# Altium PCB Time4CM4_PCIeCarrier_PCB.PcbDoc (part 1 of 5) (continued)
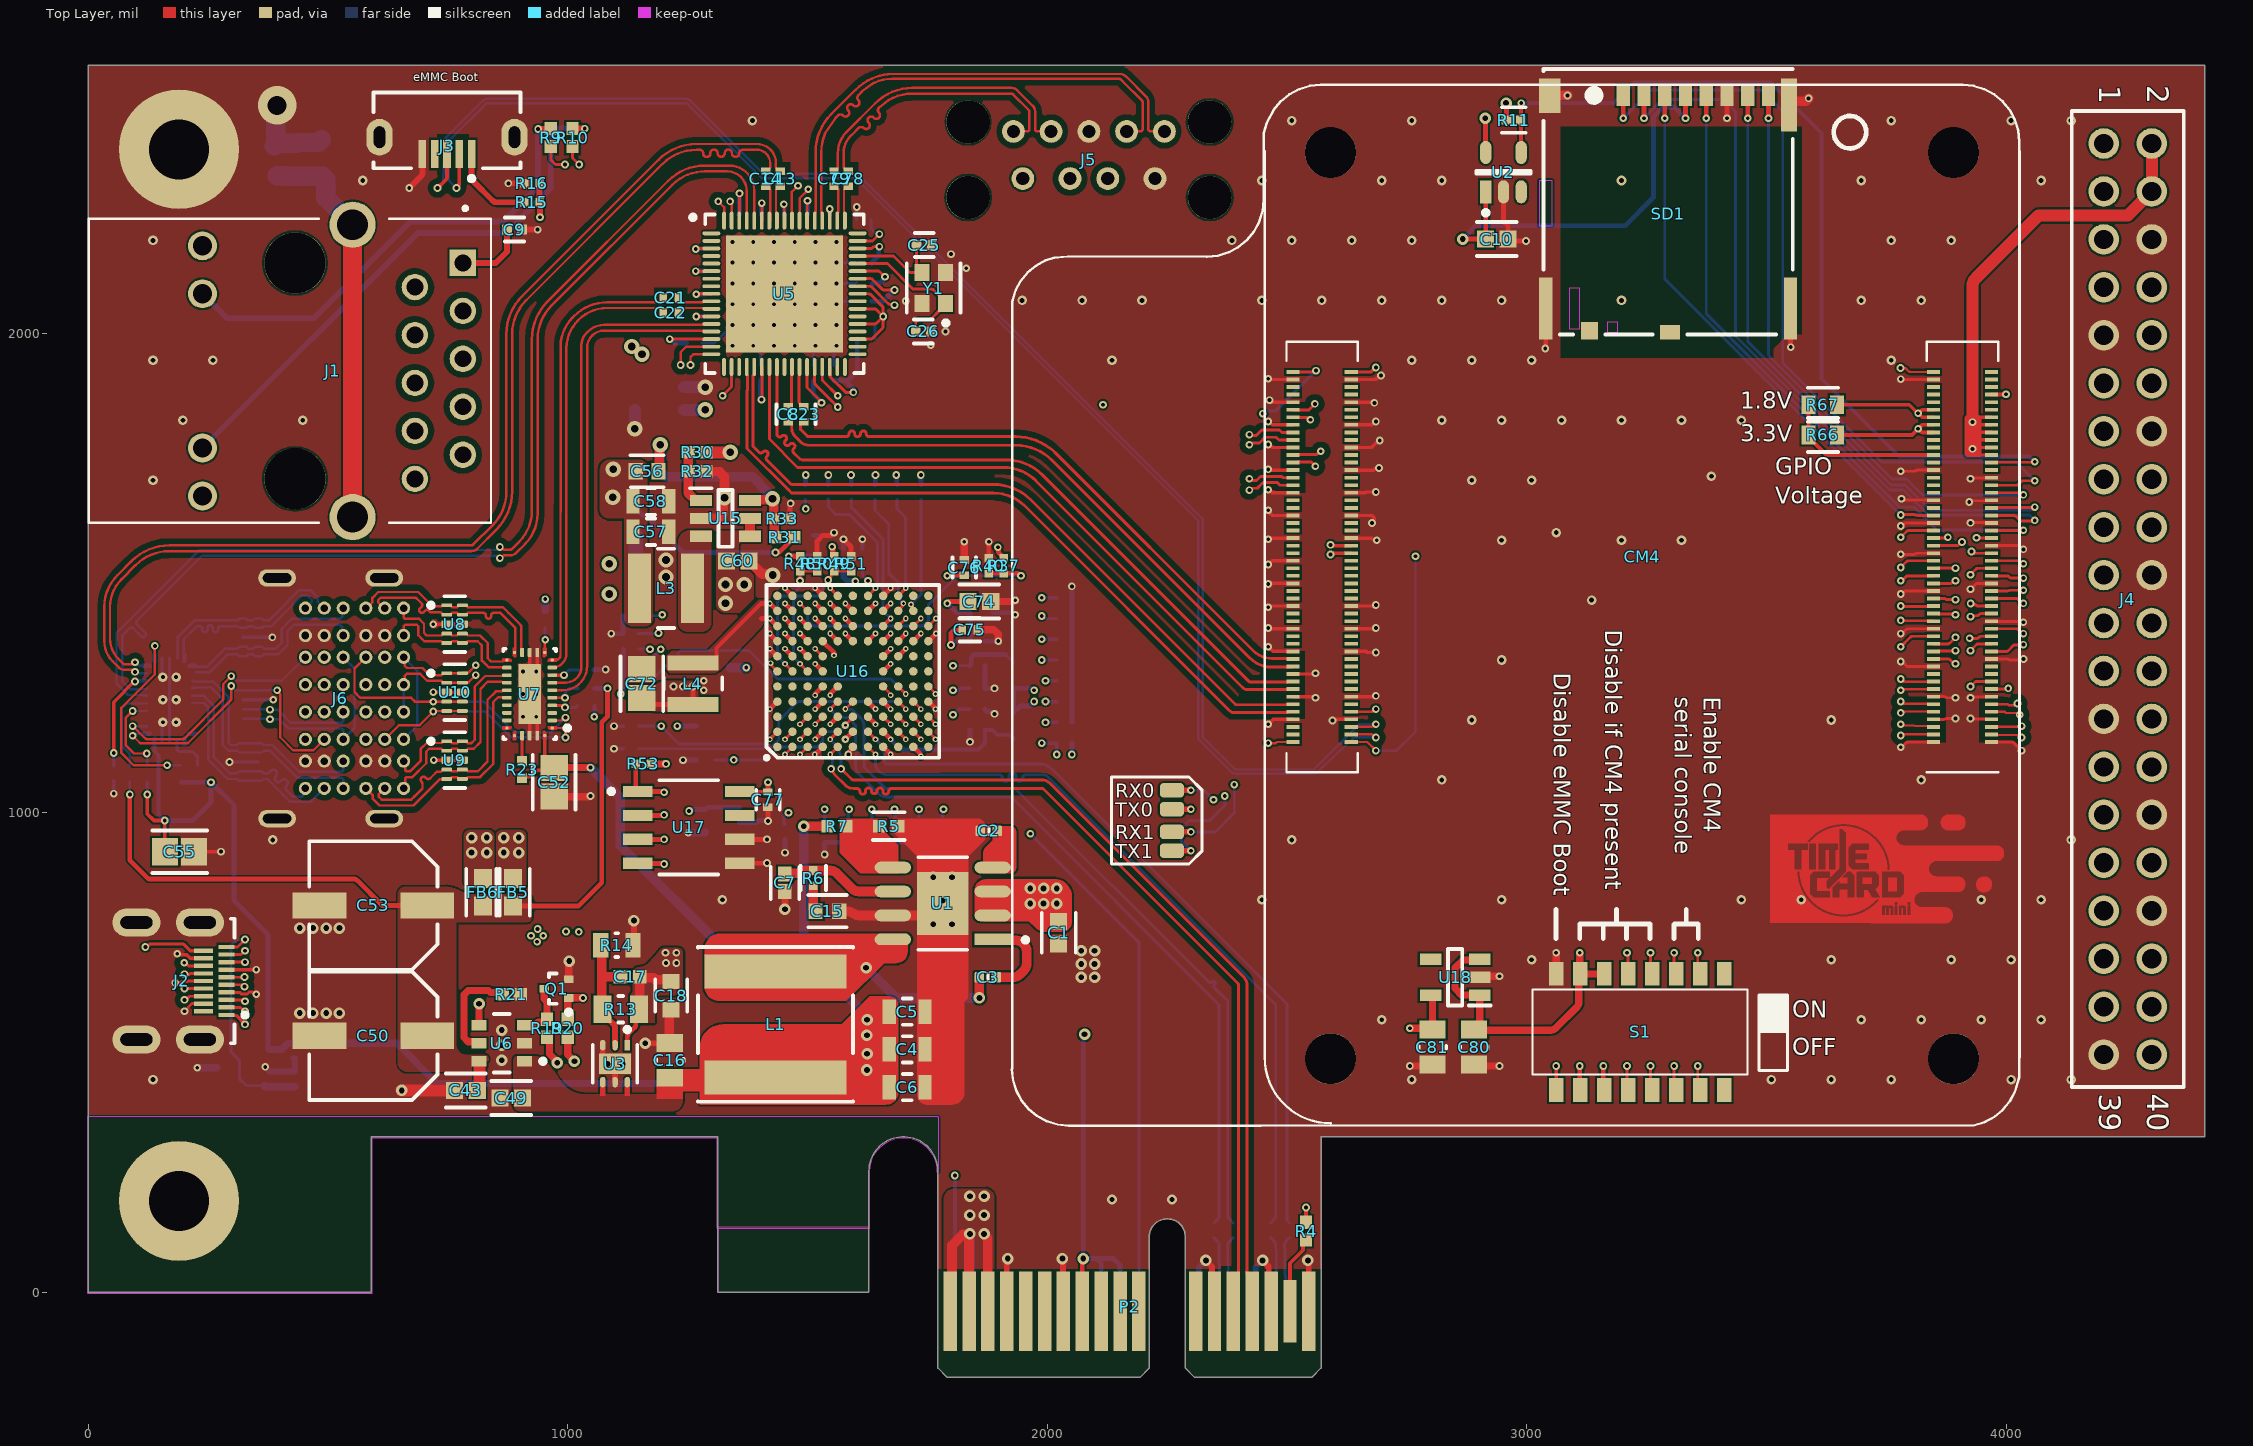
[diagram p0: Top Layer view]
## Components (designator, comment, footprint, x,y, rotation, side; value= is the part's Value field where it differs from the comment) (continued)
C80 "1uF" FP-CC0805-0_85-MFG 2889.76,511.81 r270 top value="1 uF"
C81 "1uF" FP-CC0805-0_85-MFG 2803.15,511.81 r270 top value="1 uF"
CM4 "Raspberry Pi Compute Module 4" CM4-DF40HC(3.0)-100DS-0.4v_3mm_1.5mm 3240.61,1435.4 r0 top locked
FB4 "BLM18AG221SN1D" FP-BLM18-0_15-t0_8-IPC_A 1190.94,1851.42 r270 bottom
FB5 "MPZ1608S601ATD25" FP-MPZ1608-0_8-IPC_B 885.83,834.65 r270 top
FB6 "MPZ1608S601ATD25" FP-MPZ1608-0_8-IPC_B 822.83,834.65 r270 top
FB7 "BLM18AG221SN1D" FP-BLM18-0_15-t0_8-IPC_A 1141.73,1610.24 r270 bottom
FB8 "BMB2A1000LN2" FP-BMB2A1000LN2-IPC_C 1295.28,1181.1 r0 bottom
FB9 "BMB2A1000LN2" FP-BMB2A1000LN2-IPC_C 1929.13,1287.4 r90 bottom
FB10 "BMB2A1000LN2" FP-BMB2A1000LN2-IPC_C 1929.13,1182.05 r270 bottom
J1 "HY911130A" HANRUN_HR911130A 431.1,1921.85 r90 top locked
J2 "46765-1001" FP-46765-1001-MFG 153.54,649.61 r270 top
J3 "USB3140-30-0230-1-C" GCT-USB3140_V 748.03,2391.73 r180 top
J4 "SAMTEC-A-HTSW-120-08-F-DJ" SAMTEC-A-HTSW-120-08-F-D 4253.15,1446.06 r270 top
J5 "GSB412137CHR" AMPHENOL_GSB412137CHR 2086.61,2362.2 r180 top
J6 "MK-TCF-BSX-026" MK-TCF-BSX-026 525.59,1239.17 r270 top locked
L1 "3.6uH" FP-NR8040-H_4_2-MFG 1433.07,559.06 r270 top
L3 "1.0uH" FP-NR4018-MFG 1204.72,1468.5 r180 top
L4 "4.7uH" FP-NR3012-MFG 1260.83,1269.69 r270 top
P2 "PCIex4" PCIE_4LANE_EDGE 2446.9,68.24 r0 top
Q1 "DMG1012T-7" DIOD-SOT523-3_V 976.38,633.86 r180 top
R1 "4.7K" RESC1005X40X25LL05T05 1781.5,954.72 r90 bottom
R2 "4.7K" RESC1005X40X25LL05T05 1131.89,1133.86 r0 bottom
R3 "4.7K" RESC1005X40X25LL05T05 2035.43,1145.67 r0 bottom
R4 "Resistor 0R 0402 63 mW" RESC1005X40X25ML05T10 2539.37,127.95 r270 top value=0
R5 "22.1k" FP-CRCW0402-e3-IPC_A 1669.29,972.44 r180 top
R6 "15.8k" FP-CRCW0402-e3-IPC_C 1511.81,864.17 r90 top
R7 "115k" RESC1005X40X25ML05T05 1561.02,972.44 r180 top
R8 "4.7K" RESC1005X40X25LL05T05 2035.43,1448.82 r180 bottom
R9 "470ohm" RESC1005X40X25ML05T10 964.57,2408.46 r90 top
R10 "470ohm" RESC1005X40X25ML05T10 1009.84,2408.46 r90 top
R11 "12k" FP-RC0402-0_4-IPC_C 2972.44,2444.88 r180 top
R12 "1M" FP-ERJ6EN-IPC_A 486.22,2366.14 r270 bottom
R13 "499k" FP-CRCW0805-e3-MFG 1110.24,590.55 r0 top
R14 "160k" FP-CRCW0805-e3-IPC_C 1102.36,724.41 r180 top
R15 "2.2k" RESC1005X40X25LL05T05 925.2,2273.62 r180 top
R16 "2.2k" RESC1005X40X25LL05T05 925.2,2312.99 r0 top
R17 "15K 1%" RESC1005X40X25ML05T10 1622.05,1988.19 r180 bottom
R18 "6.04K 1%" RESC1005X40X25LL05T10 1617.13,2236.22 r0 bottom
R19 "15.4K 1%" RESC1005X40X25ML05T10 956.69,551.18 r270 top
R20 "15.4K 1%" RESC1005X40X25ML05T10 1000,551.18 r270 top
R21 "15.4K 1%" RESC1005X40X25ML05T10 881.89,622.05 r180 top
R22 "200K" RESC1005X40X25NL05T05 952.76,1404.53 r90 bottom
R23 "200K" RESC1005X40X25NL05T05 904.53,1090.55 r270 top
R24 "200K" RESC1005X40X25NL05T05 1038.39,1224.41 r0 bottom
R25 "909K" RESC1005X40X25NL05T10 1038.39,1259.84 r0 bottom
R26 "200K" RESC1005X40X25NL05T05 191.93,1081.69 r270 bottom
R27 "200K" RESC1005X40X25NL05T05 227.36,1081.69 r270 bottom
R28 "200K" RESC1005X40X25NL05T05 123.03,1081.69 r270 bottom
R29 "909K" RESC1005X40X25NL05T10 86.61,1081.69 r270 bottom
R30 "15.4K 1%" RESC1005X40X25ML05T10 1269.69,1751.97 r0 top
R31 "68K 1%" RESC1005X40X25ML05T05 1452.76,1574.8 r180 top
R32 "15.4K 1%" RESC1005X40X25ML05T10 1269.69,1712.6 r180 top
R33 "90.9K 1%" RESC1005X40X25NL05T10 1446.85,1613.19 r180 top
R34 "191R 1%" RESC1005X40X25ML05T05 1287.4,1110.24 r180 bottom
R35 "4.7K" RESC1005X40X25LL05T05 1736.22,1669.29 r270 bottom
R36 "4.7K" RESC1005X40X25LL05T05 1640.66,1669.29 r270 bottom
R37 "4.7K" RESC1005X40X25LL05T05 1909.45,1515.75 r90 top
R38 "4.7K" RESC1005X40X25LL05T05 1686.83,1669.29 r270 bottom
R39 "4.7K" RESC1005X40X25LL05T05 1591.27,1669.29 r270 bottom
R40 "DNP" RESC1005X40X25LL05T05 1877.95,1515.75 r270 top
R41 "4.7K" RESC1005X40X25LL05T05 1542.95,1669.29 r270 bottom
R42 "4.7K" RESC1005X40X25LL05T05 1494.63,1669.29 r270 bottom
R43 "4.7K" RESC1005X40X25LL05T05 1130.91,1373.57 r0 bottom
R44 "4.7K" RESC1005X40X25LL05T05 1130.91,1411.06 r0 bottom
R45 "4.7K" RESC1005X40X25LL05T05 1130.91,1310.31 r180 bottom
R46 "4.7K" RESC1005X40X25LL05T05 1130.91,1278.54 r180 bottom
R47 "4.7K" RESC1005X40X25LL05T05 1131.89,1341.54 r180 bottom
R48 "4.7K" RESC1005X40X25LL05T05 1484.25,1519.69 r90 top
R49 "4.7K" RESC1005X40X25LL05T05 1555.12,1519.69 r90 top
R50 "DNP" RESC1005X40X25LL05T05 1519.68,1519.69 r270 top
R51 "DNP" RESC1005X40X25LL05T05 1590.55,1519.69 r270 top
R52 "4.7K" RESC1005X40X25LL05T05 1131.89,1181.1 r180 bottom
R53 "4.7K" RESC1005X40X25LL05T05 1157.48,1102.36 r0 top
R54 "4.7K" RESC1005X40X25LL05T05 1683.07,954.72 r270 bottom
R55 "4.7K" RESC1005X40X25LL05T05 1535.43,954.72 r270 bottom
R56 "4.7K" RESC1005X40X25LL05T05 1452.76,960.63 r270 bottom
R57 "4.7K" RESC1005X40X25LL05T05 1633.86,954.72 r270 bottom
R58 "4.7K" RESC1005X40X25LL05T05 1732.28,954.72 r270 bottom
R59 "4.7K" RESC1005X40X25LL05T05 1584.65,954.72 r270 bottom
R60 "4.7K" RESC1005X40X25LL05T05 2035.43,1188.98 r0 bottom
R61 "4.7K" RESC1005X40X25LL05T05 2035.43,1362.2 r0 bottom
R62 "4.7K" RESC1005X40X25LL05T05 2035.43,1405.51 r0 bottom
R63 "4.7K" RESC1005X40X25LL05T05 2035.43,1232.28 r0 bottom
R64 "4.7K" RESC1005X40X25LL05T05 2035.43,1275.59 r0 bottom
R65 "4.7K" RESC1005X40X25LL05T05 2035.43,1318.9 r180 bottom
R66 "0 ohm" FP-CRCW0603-HPe3-MFG 3617.13,1788.39 r0 top
R67 "DNP 0 ohm" FP-CRCW0603-HPe3-MFG 3617.13,1851.38 r0 top
S1 "DHN-08-T-V" DHN08TV 3236.22,543.31 r180 top
SD1 "503398-1892" MOLX-503398-1892_V 3294.49,2249.21 r0 top
U1 "AP64501SP-13" FP-SO-8EP-IPC_A 1781.84,811.22 r180 top
U2 "RT9742GGJ5" FP-RT9742GGJ5-IPC_C 2951.2,2336.35 r90 top
U3 "TLV76701DRVR" FP-DRV0006A-IPC_C 1098.43,477.24 r270 top
U4 "RT9742SNGV" SOT95P279X130-3N 316.93,468.5 r180 bottom
U5 "VL805" VL805 1451.77,2082.68 r0 top
U6 "AP22653W6-7" FP-SOT26-MFG 862.2,519.69 r180 top
U7 "HD3SS3220IRNHT" FP-RNH0030A-MFG 920.28,1248.03 r180 top
U8 "TPD4E05U06QDQARQ1" FP-DQA0010A-MFG 763.78,1393.7 r0 top value=0.5pF
U9 "TPD4E05U06QDQARQ1" FP-DQA0010A-MFG 763.78,1110.24 r0 top value=0.5pF
U10 "TPD4E05U06QDQARQ1" FP-DQA0010A-MFG 763.78,1251.97 r0 top value=0.5pF
U11 "HD3SS3220IRNHT" FP-RNH0030A-MFG 169.29,1236.22 r0 bottom
U12 "TPD4E05U06QDQARQ1" FP-DQA0010A-MFG 338.58,1366.14 r180 bottom value=0.5pF
U13 "TPD4E05U06QDQARQ1" FP-DQA0010A-MFG 337.89,1106.3 r180 bottom value=0.5pF
U14 "TPD4E05U06QDQARQ1" FP-DQA0010A-MFG 339.27,1236.22 r0 bottom value=0.5pF
U15 "AP3445LW6-7" SOT95P285X140-6N 1328.74,1614.17 r0 top
U16 "XR17V352IB113-F" BGA113C80P11X11_900X900X153 1594.49,1295.28 r90 top locked
U17 "AT93C46DN-SH-T" FP-C04-057-SN-MFG 1251.97,969.88 r0 top
U18 "AP2112K-1.8TRG1" SOT95P285X140-5N 2850.39,657.48 r180 top
Y1 "ABM10-25.000MHZ-E20-T" FP-ABM10-MFG 1762.85,2094.59 r90 top

## Footprints (in the part's own frame and the unit in brackets; to place one, negate y for a bottom-side part, rotate by r counter-clockwise, add the part's x,y. Pads: shape width x height; smd on the part's side, far side on the other; paste and mask are expansions set on the pad)
AMPHENOL_GSB412137CHR [mm]
  round 1.208 hole 0.7: 1(3.5,1) 2(1,1) 3(-1,1) 4(-3.5,1) 5(-4,-1.5) 6(-2,-1.5) 7(0,-1.5) 8(2,-1.5) 9(4,-1.5)
  round 2.3 hole 2.3 unplated: ""(-6.4,-2) ""(-6.4,2) ""(6.4,-2) ""(6.4,2)
BGA113C80P11X11_900X900X153 [mm]
  round 0.45 smd: A1(-4,4) A2(-3.2,4) A3(-2.4,4) A4(-1.6,4) A5(-0.8,4) A6(0,4) A7(0.8,4) A8(1.6,4) A9(2.4,4) A10(3.2,4) A11(4,4) B1(-4,3.2) B2(-3.2,3.2) B3(-2.4,3.2) B4(-1.6,3.2) B5(-0.8,3.2) B6(0,3.2) B7(0.8,3.2) B8(1.6,3.2) B9(2.4,3.2) B10(3.2,3.2) B11(4,3.2) C1(-4,2.4) C2(-3.2,2.4) C3(-2.4,2.4) C4(-1.6,2.4) C5(-0.8,2.4) C6(0,2.4) C7(0.8,2.4) C8(1.6,2.4) C9(2.4,2.4) C10(3.2,2.4) C11(4,2.4) D1(-4,1.6) D2(-3.2,1.6) D3(-2.4,1.6) D4(-1.6,1.6) D5(-0.8,1.6) D6(0,1.6) D7(0.8,1.6) D8(1.6,1.6) D9(2.4,1.6) D10(3.2,1.6) D11(4,1.6) E1(-4,0.8) E2(-3.2,0.8) E3(-2.4,0.8) E4(-1.6,0.8) E5(-0.8,0.8) E8(1.6,0.8) E9(2.4,0.8) E10(3.2,0.8) E11(4,0.8) F1(-4,0) F2(-3.2,0) F3(-2.4,0) F4(-1.6,0) F8(1.6,0) F9(2.4,0) F10(3.2,0) F11(4,0) G1(-4,-0.8) G2(-3.2,-0.8) G3(-2.4,-0.8) G4(-1.6,-0.8) G8(1.6,-0.8) G9(2.4,-0.8) G10(3.2,-0.8) G11(4,-0.8) H1(-4,-1.6) H2(-3.2,-1.6) H3(-2.4,-1.6) H4(-1.6,-1.6) H5(-0.8,-1.6) H6(0,-1.6) H7(0.8,-1.6) H8(1.6,-1.6) H9(2.4,-1.6) H10(3.2,-1.6) H11(4,-1.6) J1(-4,-2.4) J2(-3.2,-2.4) J3(-2.4,-2.4) J4(-1.6,-2.4) J5(-0.8,-2.4) J6(0,-2.4) J7(0.8,-2.4) J8(1.6,-2.4) J9(2.4,-2.4) J10(3.2,-2.4) J11(4,-2.4) K1(-4,-3.2) K2(-3.2,-3.2) K3(-2.4,-3.2) K4(-1.6,-3.2) K5(-0.8,-3.2) K6(0,-3.2) K7(0.8,-3.2) K8(1.6,-3.2) K9(2.4,-3.2) K10(3.2,-3.2) K11(4,-3.2) L1(-4,-4) L2(-3.2,-4) L3(-2.4,-4) L4(-1.6,-4) L5(-0.8,-4) L6(0,-4) L7(0.8,-4) L8(1.6,-4) L9(2.4,-4) L10(3.2,-4) L11(4,-4)
  silkscreen extent -4.67,-4.57 4.57,4.67, body extent -4.5,-4.5 4.5,4.5, height 1.53
CAPC0402(1005)60_L [mm] "Chip Capacitor, Body 1.0x0.5mm, Height 0.6mm, IPC High Density"
  rrect25% 0.5x0.55 smd: 1(-0.45,0) 2(0.45,0)
  silkscreen extent 0,-0.2 0,0.2, body extent -0.5,-0.25 0.5,0.25, height 0.6
CAPC1005X55X25ML05T05 [mm] "Chip Capacitor, 2-Leads, Body 1.00x0.50mm, IPC Low Density"
  rect 0.72x0.72 smd: 1(-0.51,0) 2(0.51,0)
  body extent -0.53,-0.28 0.53,0.27, height 0.55
CAPC1005X56X25LL10T15 [mm] "Chip Capacitor, 2-Leads, Body 1.10x0.60mm, IPC High Density"
  rect 0.58x0.54 smd: 1(-0.39,0) 2(0.39,0)
  body extent -0.55,-0.3 0.55,0.3, height 0.56
CM4-DF40HC(3.0)-100DS-0.4v_3mm_1.5mm [mm] "DF40HC(3.0)-100DS-0.4v by Amornthep Phunsin"
  rect 0.7x0.2 smd: 1(18.5,-7.3) 2(15.42,-7.3) 3(18.5,-6.9) 4(15.42,-6.9) 5(18.5,-6.5) 6(15.42,-6.5) 7(18.5,-6.1) 8(15.42,-6.1) 9(18.5,-5.7) 10(15.42,-5.7) 11(18.5,-5.3) 12(15.42,-5.3) 13(18.5,-4.9) 14(15.42,-4.9) 15(18.5,-4.5) 16(15.42,-4.5) 17(18.5,-4.1) 18(15.42,-4.1) 19(18.5,-3.7) 20(15.42,-3.7) 21(18.5,-3.3) 22(15.42,-3.3) 23(18.5,-2.9) 24(15.42,-2.9) 25(18.5,-2.5) 26(15.42,-2.5) 27(18.5,-2.1) 28(15.42,-2.1) 29(18.5,-1.7) 30(15.42,-1.7) 31(18.5,-1.3) 32(15.42,-1.3) 33(18.5,-0.9) 34(15.42,-0.9) 35(18.5,-0.5) 36(15.42,-0.5) 37(18.5,-0.1) 38(15.42,-0.1) 39(18.5,0.3) 40(15.42,0.3) 41(18.5,0.7) 42(15.42,0.7) 43(18.5,1.1) 44(15.42,1.1) 45(18.5,1.5) 46(15.42,1.5) 47(18.5,1.9) 48(15.42,1.9) 49(18.5,2.3) 50(15.42,2.3) 51(18.5,2.7) 52(15.42,2.7) 53(18.5,3.1) 54(15.42,3.1) 55(18.5,3.5) 56(15.42,3.5) 57(18.5,3.9) 58(15.42,3.9) 59(18.5,4.3) 60(15.42,4.3) 61(18.5,4.7) 62(15.42,4.7) 63(18.5,5.1) 64(15.42,5.1) 65(18.5,5.5) 66(15.42,5.5) 67(18.5,5.9) 68(15.42,5.9) 69(18.5,6.3) 70(15.42,6.3) 71(18.5,6.7) 72(15.42,6.7) 73(18.5,7.1) 74(15.42,7.1) 75(18.5,7.5) 76(15.42,7.5) 77(18.5,7.9) 78(15.42,7.9) 79(18.5,8.3) 80(15.42,8.3) 81(18.5,8.7) 82(15.42,8.7) 83(18.5,9.1) 84(15.42,9.1) 85(18.5,9.5) 86(15.42,9.5) 87(18.5,9.9) 88(15.42,9.9) 89(18.5,10.3) 90(15.42,10.3) 91(18.5,10.7) 92(15.42,10.7) 93(18.5,11.1) 94(15.42,11.1) 95(18.5,11.5) 96(15.42,11.5) 97(18.5,11.9) 98(15.42,11.9) 99(18.5,12.3) 100(15.42,12.3) 101(-15.42,-7.3) 102(-18.5,-7.3) 103(-15.42,-6.9) 104(-18.5,-6.9) 105(-15.42,-6.5) 106(-18.5,-6.5) 107(-15.42,-6.1) 108(-18.5,-6.1) 109(-15.42,-5.7) 110(-18.5,-5.7) 111(-15.42,-5.3) 112(-18.5,-5.3) 113(-15.42,-4.9) 114(-18.5,-4.9) 115(-15.42,-4.5) 116(-18.5,-4.5) 117(-15.42,-4.1) 118(-18.5,-4.1) 119(-15.42,-3.7) 120(-18.5,-3.7) 121(-15.42,-3.3) 122(-18.5,-3.3) 123(-15.42,-2.9) 124(-18.5,-2.9) 125(-15.42,-2.5) 126(-18.5,-2.5) 127(-15.42,-2.1) 128(-18.5,-2.1) 129(-15.42,-1.7) 130(-18.5,-1.7) 131(-15.42,-1.3) 132(-18.5,-1.3) 133(-15.42,-0.9) 134(-18.5,-0.9) 135(-15.42,-0.5) 136(-18.5,-0.5) 137(-15.42,-0.1) 138(-18.5,-0.1) 139(-15.42,0.3) 140(-18.5,0.3) 141(-15.42,0.7) 142(-18.5,0.7) 143(-15.42,1.1) 144(-18.5,1.1) 145(-15.42,1.5) 146(-18.5,1.5) 147(-15.42,1.9) 148(-18.5,1.9) 149(-15.42,2.3) 150(-18.5,2.3) 151(-15.42,2.7) 152(-18.5,2.7) 153(-15.42,3.1) 154(-18.5,3.1) 155(-15.42,3.5) 156(-18.5,3.5) 157(-15.42,3.9) 158(-18.5,3.9) 159(-15.42,4.3) 160(-18.5,4.3) 161(-15.42,4.7) 162(-18.5,4.7) 163(-15.42,5.1) 164(-18.5,5.1) 165(-15.42,5.5) 166(-18.5,5.5) 167(-15.42,5.9) 168(-18.5,5.9) 169(-15.42,6.3) 170(-18.5,6.3) 171(-15.42,6.7) 172(-18.5,6.7) 173(-15.42,7.1) 174(-18.5,7.1) 175(-15.42,7.5) 176(-18.5,7.5) 177(-15.42,7.9) 178(-18.5,7.9) 179(-15.42,8.3) 180(-18.5,8.3) 181(-15.42,8.7) 182(-18.5,8.7) 183(-15.42,9.1) 184(-18.5,9.1) 185(-15.42,9.5) 186(-18.5,9.5) 187(-15.42,9.9) 188(-18.5,9.9) 189(-15.42,10.3) 190(-18.5,10.3) 191(-15.42,10.7) 192(-18.5,10.7) 193(-15.42,11.1) 194(-18.5,11.1) 195(-15.42,11.5) 196(-18.5,11.5) 197(-15.42,11.9) 198(-18.5,11.9) 199(-15.42,12.3) 200(-18.5,12.3)
  silkscreen extent -20,-27.5 20,27.5, body extent -19.81,-27.21 20.19,27.79, height 10.76
DHN08TV [mm]
  rect 0.76x1.25 smd: 1(-4.445,-3.075) 2(-3.175,-3.075) 3(-1.905,-3.075) 4(-0.635,-3.075) 5(0.635,-3.075) 6(1.905,-3.075) 7(3.175,-3.075) 8(4.445,-3.075) 9(4.445,3.075) 10(3.175,3.075) 11(1.905,3.075) 12(0.635,3.075) 13(-0.635,3.075) 14(-1.905,3.075) 15(-3.175,3.075) 16(-4.445,3.075)
  silkscreen extent -5.7,-2.25 5.7,2.25, body extent -5.7,-3.35 5.7,3.35, height 1.6
DIOD-SOT523-3_V [mm] "SOT523, 3-Leads, Body 1.6x0.8mm, Pitch 0.50mm"
  rect 0.51x0.4 smd: 1(-0.65,0.5) 2(-0.65,-0.5) 3(0.65,0)
  silkscreen extent -0.78,-0.8 0.4,1.37, body extent -0.4,-0.8 0.4,0.8, height 0.86
FP-0402-L_1_0_1-W_0_5_0_1-IPC_A [mil]
  rect 30.75x28.04 smd paste+0 mask+0: 1(-18.33,0) 2(18.33,0)
  silkscreen extent -34,-30 34,30, body extent -42,-22 42,22, height 10
FP-0805-L_2_01_0_2-W_1_25-IPC_B [mil]
  rect 51.36x57.33 smd paste+0 mask+0: 1(-31.72,0) 2(31.72,0)
  silkscreen extent -57,-44 57,44, body extent -40,-25 40,25, height 37
FP-46765-1001-MFG [mm]
  rect 0.23x0.85 smd paste+0 mask+0: 1(1.8,3.425) 3(1.4,3.425) 5(1,3.425) 7(0.6,3.425) 9(0.2,3.425) 11(-0.2,3.425) 13(-0.6,3.425) 15(-1,3.425) 17(-1.4,3.425) 19(-1.8,3.425)
  rect 0.23x1 smd paste+0 mask+0: 2(1.6,2.2) 4(1.2,2.2) 6(0.8,2.2) 8(0.4,2.2) 10(0,2.2) 12(-0.4,2.2) 14(-0.8,2.2) 16(-1.2,2.2) 18(-1.6,2.2)
  rrect100% 1.5x2.55 hole 1.7 slot 0.65 at 0 deg paste-1000 mask+0: 20(-3.1,2.01) 21(3.1,2.01) 22(-3.1,-1.35) 23(3.1,-1.35)
  silkscreen extent -3.3,3.66 3.3,4.52, body extent -3.95,-3.95 3.95,3.95, height 0.25
FP-ABM10-MFG [mm]
  rect 0.9x0.8 smd paste+0 mask+0: 1(-0.825,-0.625) 2(0.825,-0.625) 3(0.825,0.625) 4(-0.825,0.625)
  silkscreen extent -1.97,-1.43 1.3,1.43, body extent -1.42,-1.15 1.4,1.15, height 0.25
FP-BLM18-0_15-t0_8-IPC_A [mil]
  rect 51.42x41.66 smd paste+0 mask+0: 1(-30.55,0) 2(30.55,0)
  silkscreen extent -56,-37 56,37, body extent -31,-16 31,16, height 37
FP-BMB2A1000LN2-IPC_C [mil]
  rect 45.45x51.43 smd paste+0 mask+0: 1(-26.61,0) 2(26.61,0)
  silkscreen extent -49,-43 49,43, body extent -39,-24 39,24, height 43
FP-C04-057-SN-MFG [mm]
  rect 1.55x0.6 smd paste+0 mask+0: 1(-2.7,1.905) 2(-2.7,0.635) 3(-2.7,-0.635) 4(-2.7,-1.905) 5(2.7,-1.905) 6(2.7,-0.635) 7(2.7,0.635) 8(2.7,1.905)
  silkscreen extent -4.22,-2.5 1.55,2.5, body extent -3.57,-2.75 3.57,2.75, height 0.25
FP-C0402-BB-MFG [mm]
  rect 0.52x0.52 smd paste+0 mask+0: 1(-0.4,0) 2(0.4,0)
  silkscreen extent -0.5,-0.64 0.5,0.64, body extent -0.8,-0.4 0.8,0.4, height 0.25
FP-C0603C-CF-MFG [mm]
  rect 0.75x0.9 smd paste+0 mask+0: 1(-0.6,0) 2(0.6,0)
  silkscreen extent -0.87,-0.85 0.88,0.85, body extent -1.2,-0.6 1.2,0.6, height 0.25
FP-C2012-125-0_2-IPC_B [mil]
  rect 54.25x57.33 smd paste+0 mask+0: 1(-30.08,0) 2(30.08,0)
  silkscreen extent -57,-44 57,44, body extent -39,-25 39,25, height 57
FP-CC0603-DA-MFG [mm]
  rect 0.8x0.9 smd paste+0 mask+0: 1(-0.75,0) 2(0.75,0)
  silkscreen extent -0.85,-0.85 0.85,0.85, body extent -1.35,-0.75 1.35,0.75, height 0.25
FP-CC0805-0_85-MFG [mm]
  rect 0.95x1.4 smd paste+0 mask+0: 1(-0.925,0) 2(0.925,0)
  silkscreen extent -0.08,-0.72 0.08,0.72, body extent -1.6,-1.05 1.6,1.05, height 0.25
FP-CL10-IPC_C [mil]
  rect 29.85x31.97 smd paste+0 mask+0: 1(-24.69,0) 2(24.68,0)
  silkscreen extent -40,-33 40,33, body extent -44,-22 44,22, height 10
FP-CRCW0402-e3-IPC_A [mil]
  rect 26.31x26.48 smd paste+0 mask+0: 1(-19.77,0) 2(19.77,0)
  silkscreen extent -33,-29 33,29, body extent -41,-21 41,21, height 10
FP-CRCW0402-e3-IPC_C [mil]
  rect 18.43x18.6 smd paste+0 mask+0: 1(-15.83,0) 2(15.83,0)
  silkscreen extent -25,-27 25,27, body extent -29,-15 29,15, height 10
FP-CRCW0603-HPe3-MFG [mm]
  rect 0.75x1 smd paste+0 mask+0: 1(-0.75,0) 2(0.75,0)
  silkscreen extent -0.8,-0.9 0.8,0.9, body extent -1.22,-0.6 1.22,0.6, height 0.25
FP-CRCW0805-e3-IPC_C [mil]
  rect 31.75x51.5 smd paste+0 mask+0: 1(-33.5,0) 2(33.5,0)
  silkscreen extent -3,-25 3,25, body extent -53,-31 53,31, height 10
FP-CRCW0805-e3-MFG [mm]
  rect 0.95x1.45 smd paste+0 mask+0: 1(-0.975,0) 2(0.975,0)
  silkscreen extent -0.13,-0.7 0.13,0.7, body extent -1.55,-0.82 1.55,0.82, height 0.25
FP-DQA0010A-MFG [mm]
  rrect50% 0.565x0.2 smd paste+0 mask+0: 1(-0.417,1) 2(-0.417,0.5) 4(-0.417,-0.5) 5(-0.417,-1) 6(0.417,-1) 7(0.417,-0.5) 9(0.417,0.5) 10(0.417,1)
  rrect25% 0.565x0.4 smd paste-1000 mask+0: 3(-0.417,0) 8(0.417,0)
  silkscreen extent -1.37,-1.48 0.55,1.48, body extent -0.8,-1.4 0.8,1.4, height 0.25
FP-DRV0006A-IPC_C [mm]
  rect 0.556x0.292 smd paste+0 mask+0: 1(-0.978,0.65)
  rrect100% 0.556x0.292 smd paste+0 mask+0: 2(-0.978,0) 3(-0.978,-0.65) 4(0.978,-0.65) 5(0.978,0) 6(0.978,0.65)
  rect 1.1x1.7 smd paste-1000 mask+0: 7(0,0)
  silkscreen extent -1.93,-1.17 1,1.17, body extent -1.36,-1.1 1.36,1.1, height 0.25
FP-ERJ6EN-IPC_A [mil]
  rect 53.34x57.56 smd paste+0 mask+0: 1(-38.41,0) 2(38.41,0)
  silkscreen extent -65,-45 65,45
FP-GRM15-MFG [mm]
  rect 0.4x0.5 smd paste+0 mask+0: 1(-0.4,0) 2(0.4,0)
  silkscreen extent -0.53,-0.63 0.53,-0.63, body extent -0.7,-0.38 0.7,0.38, height 0.25
FP-GRM21B-0_15-MFG [mm]
  rect 0.7x1.3 smd paste+0 mask+0: 1(-0.95,0) 2(0.95,0)
  silkscreen extent -0.23,-0.7 0.23,0.7, body extent -1.4,-0.8 1.4,0.8, height 0.25
FP-GRM188-0_2-IPC_C [mil]
  rect 35.63x35.68 smd paste+0 mask+0: 1(-23.64,0) 2(23.65,0)
  silkscreen extent -41,-35 41,35, body extent -45,-24 45,24, height 10
FP-MPZ1608-0_8-IPC_B [mil]
  rect 39.61x37.73 smd paste+0 mask+0: 1(-28.59,0) 2(28.59,0)
  silkscreen extent -48,-35 48,35, body extent -58,-29 58,29, height 10
FP-NR3012-MFG [mm]
  rect 0.8x2.7 smd paste+0 mask+0: 1(-1.1,0) 2(1.1,0)
  silkscreen extent -0.33,-1.55 0.33,1.55, body extent -1.65,-1.65 1.65,1.65, height 0.25
FP-NR4018-MFG [mm]
  rect 1.2x3.7 smd paste+0 mask+0: 1(-1.4,0) 2(1.4,0)
  silkscreen extent -0.43,-2.1 0.43,2.1, body extent -2.2,-2.2 2.2,2.2, height 0.25
FP-NR8040-H_4_2-MFG [mm]
  rect 1.8x7.5 smd paste+0 mask+0: 1(-2.8,0) 2(2.8,0)
  silkscreen extent -4.1,-4.1 4.1,4.1, body extent -4.2,-4.2 4.2,4.2, height 0.25
FP-RC0402-0_4-IPC_C [mil]
  rect 20.29x18.6 smd paste+0 mask+0: 1(-14.9,0) 2(14.9,0)
  silkscreen extent -25,-27 25,27, body extent -29,-15 29,15, height 10
FP-RNH0030A-MFG [mm]
  round 0.18 smd paste+0 mask+0: 1(-1.2,1.8) 10(-1.2,-1.8) 11(-0.8,-2.2) 15(0.8,-2.2) 16(1.2,-1.8) 25(1.2,1.8) 26(0.8,2.2) 30(-0.8,2.2)
  rrect50% 0.5x0.2 smd paste+0 mask+0: 2(-1.2,1.4) 3(-1.2,1) 4(-1.2,0.6) 5(-1.2,0.2) 6(-1.2,-0.2) 7(-1.2,-0.6) 8(-1.2,-1) 9(-1.2,-1.4) 17(1.2,-1.4) 18(1.2,-1) 19(1.2,-0.6) 20(1.2,-0.2) 21(1.2,0.2) 22(1.2,0.6) 23(1.2,1) 24(1.2,1.4)
  rrect50% 0.2x0.5 smd paste+0 mask+0: 12(-0.4,-2.2) 13(0,-2.2) 14(0.4,-2.2) 27(0.4,2.2) 28(0,2.2) 29(-0.4,2.2)
  rrect8% 1.2x3.2 smd paste-1000 mask+0: 31(0,0)
  Top Layer region: 1.4,-1.9 1.04,-1.9 0.95,-1.81 0.95,-1.75 0.957,-1.725 0.975,-1.707 1,-1.7 1,-1.7 1.4,-1.7 1.425,-1.707 1.443,-1.725 1.45,-1.75 1.45,-1.75 1.45,-1.85 1.446,-1.869 1.435,-1.885 1.419,-1.896 1.4,-1.9
  Top Layer region: 1.4,1.9 1.04,1.9 0.95,1.81 0.95,1.75 0.957,1.725 0.975,1.707 1,1.7 1,1.7 1.4,1.7 1.425,1.707 1.443,1.725 1.45,1.75 1.45,1.75 1.45,1.85 1.446,1.869 1.435,1.885 1.419,1.896 1.4,1.9
  Top Layer region: -1.4,-1.9 -1.04,-1.9 -0.95,-1.81 -0.95,-1.75 -0.957,-1.725 -0.975,-1.707 -1,-1.7 -1,-1.7 -1.4,-1.7 -1.425,-1.707 -1.443,-1.725 -1.45,-1.75 -1.45,-1.75 -1.45,-1.85 -1.446,-1.869 -1.435,-1.885 -1.419,-1.896 -1.4,-1.9
  Top Layer region: -1.4,1.9 -1.04,1.9 -0.95,1.81 -0.95,1.75 -0.957,1.725 -0.975,1.707 -1,1.7 -1,1.7 -1.4,1.7 -1.425,1.707 -1.443,1.725 -1.45,1.75 -1.45,1.75 -1.45,1.85 -1.446,1.869 -1.435,1.885 -1.419,1.896 -1.4,1.9
  Top Layer region: 0.9,-2.4 0.9,-2.04 0.81,-1.95 0.75,-1.95 0.725,-1.957 0.707,-1.975 0.7,-2 0.7,-2 0.7,-2.4 0.707,-2.425 0.725,-2.443 0.75,-2.45 0.75,-2.45 0.85,-2.45 0.869,-2.446 0.885,-2.435 0.896,-2.419 0.9,-2.4
  Top Layer region: -0.9,-2.4 -0.9,-2.04 -0.81,-1.95 -0.75,-1.95 -0.725,-1.957 -0.707,-1.975 -0.7,-2 -0.7,-2 -0.7,-2.4 -0.707,-2.425 -0.725,-2.443 -0.75,-2.45 -0.75,-2.45 -0.85,-2.45 -0.869,-2.446 -0.885,-2.435 -0.896,-2.419 -0.9,-2.4
  Top Layer region: 0.9,2.4 0.9,2.04 0.81,1.95 0.75,1.95 0.725,1.957 0.707,1.975 0.7,2 0.7,2 0.7,2.4 0.707,2.425 0.725,2.443 0.75,2.45 0.75,2.45 0.85,2.45 0.869,2.446 0.885,2.435 0.896,2.419 0.9,2.4
  Top Layer region: -0.9,2.4 -0.9,2.04 -0.81,1.95 -0.75,1.95 -0.725,1.957 -0.707,1.975 -0.7,2 -0.7,2 -0.7,2.4 -0.707,2.425 -0.725,2.443 -0.75,2.45 -0.75,2.45 -0.85,2.45 -0.869,2.446 -0.885,2.435 -0.896,2.419 -0.9,2.4
  silkscreen extent -2.13,-2.4 1.4,2.4, body extent -1.55,-2.55 1.55,2.55, height 0.25
FP-RT9742GGJ5-IPC_C [mil]
  rect 48.02x23.17 smd paste+0 mask+0: 1(-41.07,36.99)
  rrect100% 48.02x23.17 smd paste+0 mask+0: 2(-41.07,0) 3(-41.07,-36.99) 4(41.07,-36.99) 5(41.07,36.99)
  silkscreen extent -90,-57 3,57, body extent -69,-61 69,61, height 10
FP-SO-8EP-IPC_A [mm]
  rect 1.93x0.612 smd paste+0 mask+0: 1(-2.641,1.905)
  rrect100% 1.93x0.612 smd paste+0 mask+0: 2(-2.641,0.635) 3(-2.641,-0.635) 4(-2.641,-1.905) 5(2.641,-1.905) 6(2.641,-0.635) 7(2.641,0.635) 8(2.641,1.905)
  rect 2.71x3.35 smd paste-1000 mask+0: 9(0,0)
  silkscreen extent -4.51,-2.45 1.3,2.45, body extent -4.11,-2.95 4.11,2.95, height 0.25
FP-SOT26-MFG [mm]
  rect 0.8x0.55 smd paste+0 mask+0: 1(-1.2,0.95) 2(-1.2,0) 3(-1.2,-0.95) 4(1.2,-0.95) 5(1.2,0) 6(1.2,0.95)
  silkscreen extent -2.3,-1.55 0.43,1.55, body extent -1.7,-1.65 1.7,1.65, height 0.25
GCT-USB3140_V [mm] "USB, Micro B, Body 7.8x4mm, Pitch 0.65mm"
  rect 0.4x1.5 smd: 1(-1.3,0.445) 2(-0.65,0.445) 3(0,0.445) 4(0.65,0.445) 5(1.3,0.445)
  oval 1.4x1.95 hole 0.6 slot 1.15 at 90 deg: 6(-3.575,-0.445) 7(3.575,-0.445)
  silkscreen extent -3.9,-2.8 3.9,1.87, body extent -3.9,-2.81 3.9,1.19, height 6.55
HANRUN_HR911130A [mm]
  rect 1.398x1.398 hole 0.89: 1(5.72,-8.89)
  round 1.398 hole 0.89: 2(4.44,-6.35) 3(3.18,-8.89) 4(1.9,-6.35) 5(0.64,-8.89) 6(-0.64,-6.35) 7(-1.9,-8.89) 8(-3.18,-6.35) 9(-4.44,-8.89) 10(-5.72,-6.35)
  round 1.53 hole 1.02: 11(6.625,4.9) 12(4.085,4.9) 13(-4.085,4.9) 14(-6.625,4.9)
  round 2.445 hole 1.63: S1(7.745,-3.05) S2(-7.745,-3.05)
  round 3.25 hole 3.25 unplated: ""(-5.715,0) ""(5.715,0)
  silkscreen extent -8.05,-10.38 8.71,10.92, body extent -8.02,-10.4 8.02,10.9, height 13.5
MK-TCF-BSX-026 [mm] "Dual Row DIP Type 48Pin USB 3.1 C Female Receptacle Connector"
  round 0.7 hole 0.4: A1-A(-3.325,1.35) A1-B(-3.325,-1.85) A2-A(-4.775,1.35) A2-B(-4.775,-1.85) A3-A(-4.775,2.35) A3-B(-4.775,-0.85) A4-A(-0.725,1.35) A4-B(-0.725,-1.85) A5-A(-2.175,1.35) A5-B(-2.175,-1.85) A6-A(0.725,3.35) A6-B(0.725,0.15) A7-A(2.175,3.35) A7-B(2.175,0.15) A8-A(2.175,1.35) A8-B(2.175,-1.85) A9-A(0.725,1.35) A9-B(0.725,-1.85) A10-A(4.775,2.35) A10-B(4.775,-0.85) A11-A(4.775,1.35) A11-B(4.775,-1.85) A12-A(3.325,1.35) A12-B(3.325,-1.85) B1-A(3.325,2.35) B1-B(3.325,-0.85) B2-A(4.775,3.35) B2-B(4.775,0.15) B3-A(3.325,3.35) B3-B(3.325,0.15) B4-A(0.725,2.35) B4-B(0.725,-0.85) B5-A(2.175,2.35) B5-B(2.175,-0.85) B6-A(-0.725,3.35) B6-B(-0.725,0.15) B7-A(-2.175,3.35) B7-B(-2.175,0.15) B8-A(-2.175,2.35) B8-B(-2.175,-0.85) B9-A(-0.725,2.35) B9-B(-0.725,-0.85) B10-A(-3.325,3.35) B10-B(-3.325,0.15) B11-A(-4.775,3.35) B11-B(-4.775,0.15) B12-A(-3.325,2.35) B12-B(-3.325,-0.85)
  oval 0.914x2 hole 1.5 slot 0.5 at 0 deg: GND1(-6.375,2.33) GND2(-6.375,-3.35) GND3(6.375,2.33) GND4(6.375,-3.35)
  body extent -6.82,-13.48 6.78,4.52, height 14.78
MOLX-503398-1892_V [mm] "CONN, 8-Leads, Body 14.05x13.2mm, Pitch 1.1mm"
  rect 0.7x1.1 smd: 1(-2.38,6.27) 2(-1.28,6.27) 3(-0.18,6.27) 4(0.92,6.27) 5(2.02,6.27) 6(3.12,6.27) 7(4.22,6.27) 8(5.32,6.27)
  rect 1.05x0.78 smd: 9(0.095,-6.27)
  rect 0.9x0.93 smd: 10(-4.17,-6.195)
  rect 0.86x2.8 smd: 11(6.4,5.77)
  rect 0.7x3.3 smd: 12(6.48,-5.01) 13(-6.48,-5.01)
  rect 1.14x1.83 smd: 14(-6.26,6.255)
  Top Layer keep-out region: -6.83,-0.63 -6.13,-0.63 -6.13,1.77 -6.83,1.77
  Top Layer keep-out region: -5.235,-6.08 -4.685,-6.08 -4.685,-3.93 -5.235,-3.93
  Top Layer keep-out region: -3.22,-6.28 -2.67,-6.28 -2.67,-5.73 -3.22,-5.73
  silkscreen extent -6.6,-6.38 6.6,7.67, body extent -6.55,-6.38 6.55,7.67, height 1.28
PCIE_4LANE_EDGE [mil] "PCIE_4LANE_EDGE"
  rect 28x126 smd far side: A1(-649.6,-87.74)
  rect 28x165 smd far side: A2(-610.23,-107.24) A3(-570.86,-107.24) A4(-531.49,-107.24) A5(-492.12,-107.24) A6(-452.75,-107.24) A7(-413.38,-107.24) A8(-374.01,-107.24) A9(-334.64,-107.24) A10(-295.27,-107.24) A11(-255.9,-107.24) A12(-137.79,-107.24) A13(-98.42,-107.24) A14(-59.05,-107.24) A15(-19.68,-107.24) A16(19.69,-107.24) A17(59.06,-107.24) A18(98.43,-107.24)
  rect 28x165 smd: B1(-649.6,-107.24) B2(-610.23,-107.24) B3(-570.86,-107.24) B4(-531.49,-107.24) B5(-492.12,-107.24) B6(-452.75,-107.24) B7(-413.38,-107.24) B8(-374.01,-107.24) B9(-334.64,-107.24) B10(-295.27,-107.24) B11(-255.9,-107.24) B12(-137.79,-107.24) B13(-98.42,-107.24) B14(-59.05,-107.24) B15(-19.68,-107.24) B16(19.69,-107.24) B18(98.43,-107.24)
  rect 28x129.92 smd: B17(59.06,-107.24)
PNSC-EEEFK1C101P_L [mm] "Aluminum Electrolytic Capacitor, Body 6.8x6.8mm, IPC High Density"
  rect 2.85x1.4 smd: 1(-2.85,0) 2(2.85,0)
  silkscreen extent -3.4,-3.4 3.4,3.4, body extent -3.9,-3.4 3.9,3.4, height 6.3
RESC1005X40X25LL05T05 [mm] "Chip Resistor, 2-Leads, Body 1.05x0.55mm, IPC High Density"
  rect 0.45x0.45 smd: 1(-0.4,0) 2(0.4,0)
  body extent -0.53,-0.28 0.53,0.27, height 0.4
RESC1005X40X25LL05T10 [mm] "Chip Resistor, 2-Leads, Body 1.00x0.50mm, IPC High Density"
  rect 0.5x0.45 smd: 1(-0.375,0) 2(0.375,0)
  body extent -0.53,-0.27 0.53,0.28, height 0.4
RESC1005X40X25ML05T05 [mm] "Chip Resistor, 2-Leads, Body 1.00x0.50mm, IPC Low Density"
  rect 0.65x0.65 smd: 1(-0.5,0) 2(0.5,0)
  body extent -0.53,-0.27 0.53,0.28, height 0.4
RESC1005X40X25ML05T10 [mm] "Chip Resistor, 2-Leads, Body 1.05x0.55mm, IPC Low Density"
  rect 0.7x0.65 smd: 1(-0.475,0) 2(0.475,0)
  body extent -0.53,-0.28 0.53,0.28, height 0.4
RESC1005X40X25NL05T05 [mm] "Chip Resistor, 2-Leads, Body 1.05x0.55mm, IPC Medium Density"
  rect 0.55x0.55 smd: 1(-0.45,0) 2(0.45,0)
  body extent -0.53,-0.28 0.53,0.28, height 0.4
RESC1005X40X25NL05T10 [mm] "Chip Resistor, 2-Leads, Body 1.00x0.50mm, IPC Medium Density"
  rect 0.6x0.55 smd: 1(-0.425,0) 2(0.425,0)
  body extent -0.53,-0.27 0.53,0.28, height 0.4
SAMTEC-A-HTSW-120-08-F-D [mm]
  round 1.62 hole 1.02: 1(-24.13,-1.27) 2(-24.13,1.27) 3(-21.59,-1.27) 4(-21.59,1.27) 5(-19.05,-1.27) 6(-19.05,1.27) 7(-16.51,-1.27) 8(-16.51,1.27) 9(-13.97,-1.27) 10(-13.97,1.27) 11(-11.43,-1.27) 12(-11.43,1.27) 13(-8.89,-1.27) 14(-8.89,1.27) 15(-6.35,-1.27) 16(-6.35,1.27) 17(-3.81,-1.27) 18(-3.81,1.27) 19(-1.27,-1.27) 20(-1.27,1.27) 21(1.27,-1.27) 22(1.27,1.27) 23(3.81,-1.27) 24(3.81,1.27) 25(6.35,-1.27) 26(6.35,1.27) 27(8.89,-1.27) 28(8.89,1.27) 29(11.43,-1.27) 30(11.43,1.27) 31(13.97,-1.27) 32(13.97,1.27) 33(16.51,-1.27) 34(16.51,1.27) 35(19.05,-1.27) 36(19.05,1.27) 37(21.59,-1.27) 38(21.59,1.27) 39(24.13,-1.27) 40(24.13,1.27)
  silkscreen extent -25.85,-2.96 25.85,2.96
SOT95P279X130-3N [mm]
  rect 1.25x0.6 smd: 1(-1.25,0.952) 2(-1.25,-0.952) 3(1.25,0)
  silkscreen extent -1.88,-1.45 0.28,1.5, body extent -1.4,-1.45 1.4,1.45, height 1.3
SOT95P285X140-5N [mm]
  rect 1.15x0.6 smd: 1(-1.3,0.95) 2(-1.3,0) 3(-1.3,-0.95) 4(1.3,-0.95) 5(1.3,0.95)
  silkscreen extent -1.88,-1.5 0.38,1.5, body extent -1.43,-1.5 1.43,1.5, height 1.4
SOT95P285X140-6N [mm]
  rect 1.15x0.6 smd: 1(-1.3,0.95) 2(-1.3,0) 3(-1.3,-0.95) 4(1.3,-0.95) 5(1.3,0) 6(1.3,0.95)
  silkscreen extent -1.88,-1.5 0.38,1.6, body extent -1.43,-1.5 1.43,1.5, height 1.4
VL805 [mm] "QFN, 68-Leads, Body 8.00x8.00mm, Pitch 0.40mm, Thermal Pad 6.20x6.20mm, IPC Medium Density"
  oval 0.95x0.2 smd: 1(-3.875,3.2) 2(-3.875,2.8) 3(-3.875,2.4) 4(-3.875,2) 5(-3.875,1.6) 6(-3.875,1.2) 7(-3.875,0.8) 8(-3.875,0.4) 9(-3.875,0) 10(-3.875,-0.4) 11(-3.875,-0.8) 12(-3.875,-1.2) 13(-3.875,-1.6) 14(-3.875,-2) 15(-3.875,-2.4) 16(-3.875,-2.8) 17(-3.875,-3.2) 35(3.875,-3.2) 36(3.875,-2.8) 37(3.875,-2.4) 38(3.875,-2) 39(3.875,-1.6) 40(3.875,-1.2) 41(3.875,-0.8) 42(3.875,-0.4) 43(3.875,0) 44(3.875,0.4) 45(3.875,0.8) 46(3.875,1.2) 47(3.875,1.6) 48(3.875,2) 49(3.875,2.4) 50(3.875,2.8) 51(3.875,3.2)
  oval 0.2x0.95 smd: 18(-3.2,-3.875) 19(-2.8,-3.875) 20(-2.4,-3.875) 21(-2,-3.875) 22(-1.6,-3.875) 23(-1.2,-3.875) 24(-0.8,-3.875) 25(-0.4,-3.875) 26(0,-3.875) 27(0.4,-3.875) 28(0.8,-3.875) 29(1.2,-3.875) 30(1.6,-3.875) 31(2,-3.875) 32(2.4,-3.875) 33(2.8,-3.875) 34(3.2,-3.875) 52(3.2,3.875) 53(2.8,3.875) 54(2.4,3.875) 55(2,3.875) 56(1.6,3.875) 57(1.2,3.875) 58(0.8,3.875) 59(0.4,3.875) 60(0,3.875) 61(-0.4,3.875) 62(-0.8,3.875) 63(-1.2,3.875) 64(-1.6,3.875) 65(-2,3.875) 66(-2.4,3.875) 67(-2.8,3.875) 68(-3.2,3.875)
  rect 6.2x6.2 smd: 69(0,0)
  silkscreen extent -4.97,-4.2 4.2,4.2, body extent -4.07,-4.07 4.07,4.07, height 0.85